# Altium PCB Cabinet_Device.PcbDoc (part 3 of 6) (continued)
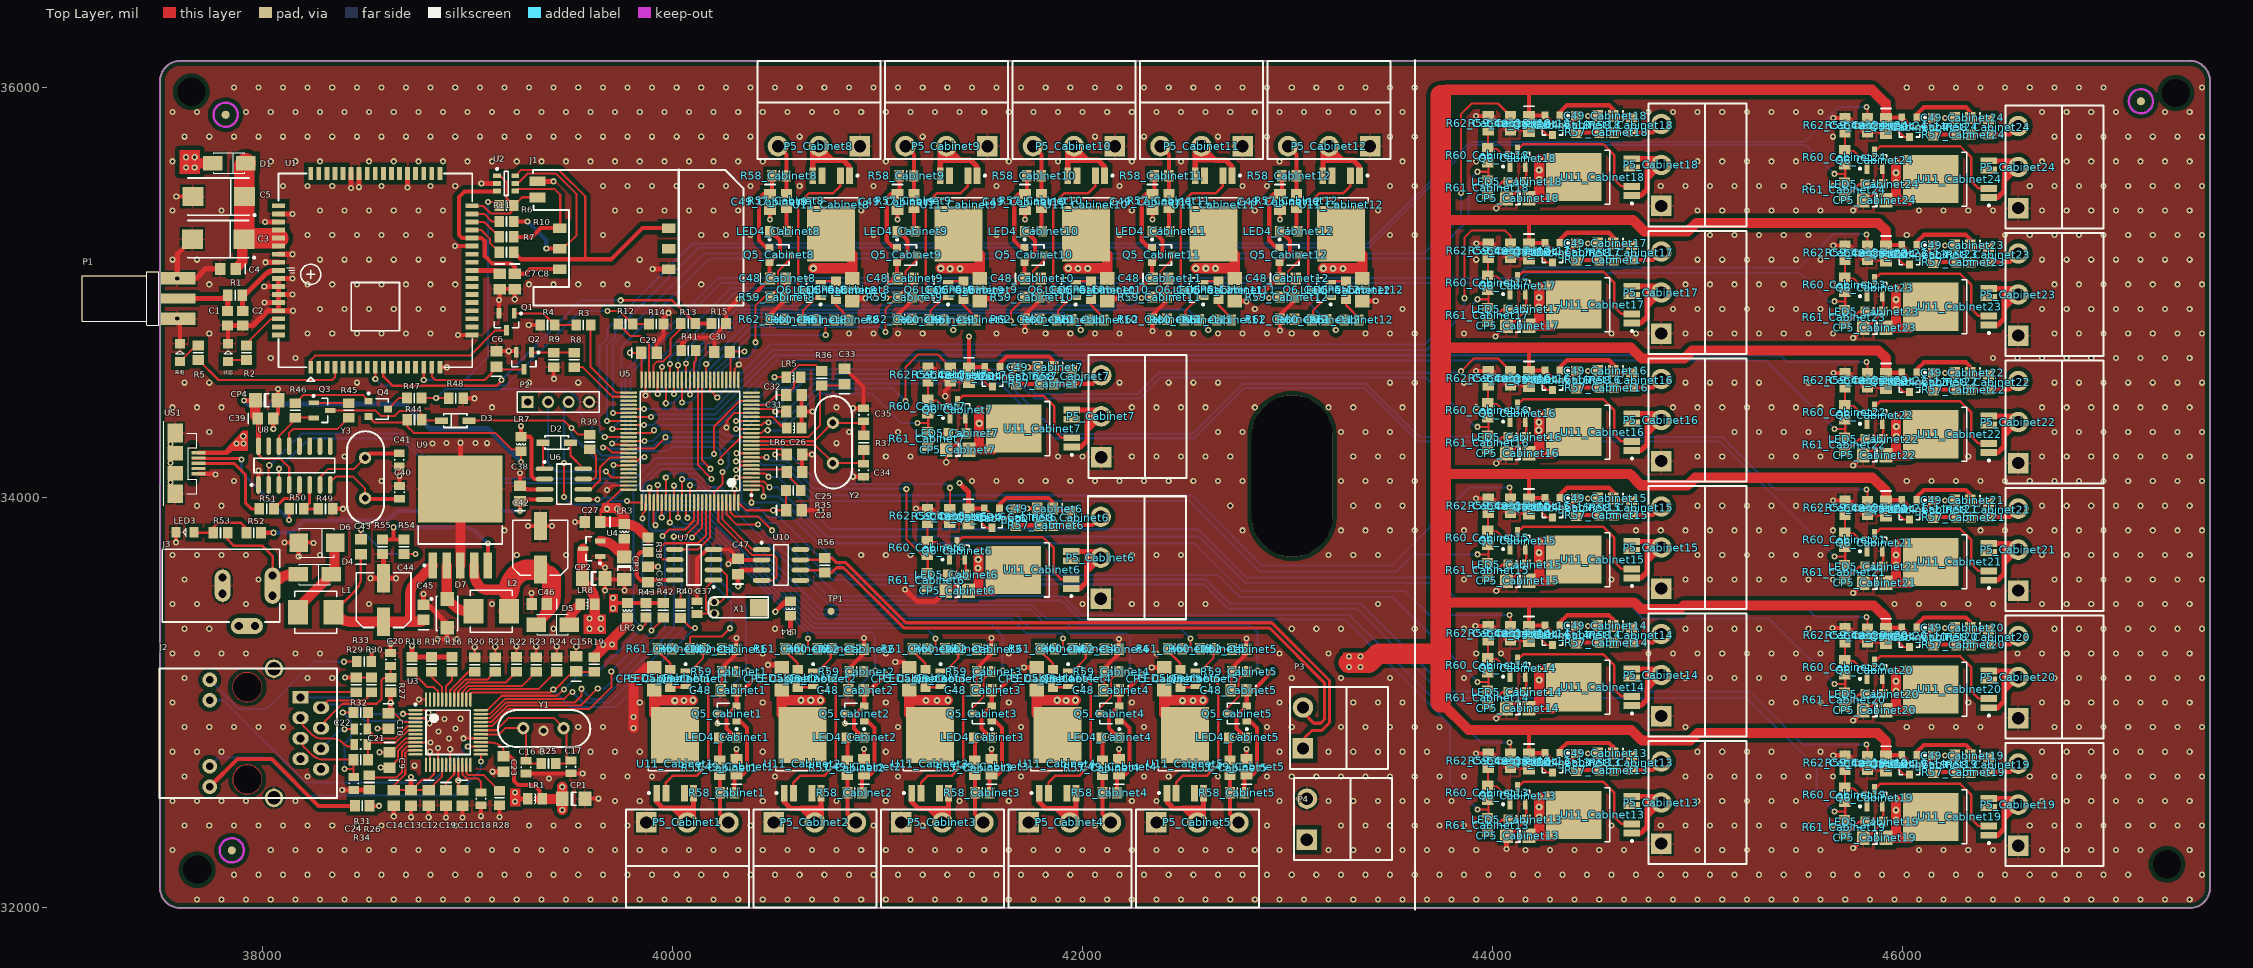
[diagram p0: Top Layer view]
## Nets (pads, with @x,y where several pads share a name; then routed paths per layer and width w, separated by ;. In a path a pad name is that pad's centre, name@x,y a point inside that pad or via, vN(x,y) a via of type N, cw(c..) or ccw(c..) an arc to the next point about the centre after c; other vN are vias at no path point) (continued)
  Top Layer w50: U9.3@38965,33668.78 U9.6@38965,34040.83 ; v1(39809,32876) v1(39809,32929) 39809,33106 39874.12,33171.12 CP5_Cabinet1.2@39910.13,33171.12
  Bottom Layer w10: v1@39678,34036 v1(39680,34036) ; v1(40301.54,34041.54) v1@40303,34043
  Bottom Layer w20: v1@40875,34431 v1(40879.5,34435.5) ; v1(41217,34967) v1@41220,34970 ; v1(41837,34966) v1@41839,34968
  Bottom Layer w25: v1(42181,34972) v1@42183.5,34972 ; v1(42800,34957) v1@42802,34957
  other v1: 37680,32040 37800,32040 37920,32040 38040,32040 38160,32040 38280,32040 38400,32040 38520,32040 38640,32040 38760,32040 38880,32040 39000,32040 39120,32040 39240,32040 39360,32040 39480,32040 39600,32040 39720,32040 39840,32040 39960,32040 40080,32040 40200,32040 40320,32040 40440,32040 40560,32040 40680,32040 40800,32040 40920,32040 41040,32040 41160,32040 41280,32040 41400,32040 41520,32040 41640,32040 41760,32040 41880,32040 42000,32040 42120,32040 42240,32040 42360,32040 42480,32040 42600,32040 42720,32040 42840,32040 42960,32040 43080,32040 43200,32040 43320,32040 43440,32040 43560,32040 43680,32040 43800,32040 43920,32040 44040,32040 44160,32040 44280,32040 44400,32040 44520,32040 44640,32040 44760,32040 44880,32040 45000,32040 45120,32040 45240,32040 45360,32040 45480,32040 45600,32040 45720,32040 45840,32040 45960,32040 46080,32040 46200,32040 46320,32040 46440,32040 46560,32040 46680,32040 46800,32040 46920,32040 47040,32040 47160,32040 47280,32040 47400,32040 37860,32160 37980,32160 38100,32160 38220,32160 38340,32160 38460,32160 38580,32160 38700,32160 38820,32160 38940,32160 39060,32160 39180,32160 39300,32160 39420,32160 39540,32160 39660,32160 39780,32160 39900,32160 40020,32160 40140,32160 40260,32160 40380,32160 40500,32160 40620,32160 40740,32160 40860,32160 40980,32160 41100,32160 41220,32160 41340,32160 41460,32160 41580,32160 41700,32160 41820,32160 41940,32160 42060,32160 42180,32160 42300,32160 42420,32160 42540,32160 42660,32160 42780,32160 42900,32160 43020,32160 43140,32160 43260,32160 43380,32160 43500,32160 43620,32160 43740,32160 43860,32160 43980,32160 44100,32160 44220,32160 44340,32160 44460,32160 44580,32160 44700,32160 44820,32160 44940,32160 45060,32160 45180,32160 45300,32160 45420,32160 45540,32160 45660,32160 45780,32160 45900,32160 46020,32160 46140,32160 46260,32160 46380,32160 46500,32160 46620,32160 46740,32160 46860,32160 46980,32160 47100,32160 47460,32160 37560,32280 38040,32280 38160,32280 38280,32280 38400,32280 38520,32280 38640,32280 38760,32280 38880,32280 39000,32280 39120,32280 39240,32280 39360,32280 39480,32280 39600,32280 39720,32280 39840,32280 39960,32280 40080,32280 40200,32280 40320,32280 40440,32280 40560,32280 40680,32280 40800,32280 40920,32280 41040,32280 41160,32280 41280,32280 41400,32280 41520,32280 41640,32280 41760,32280 41880,32280 42000,32280 42120,32280 42240,32280 42360,32280 42480,32280 42600,32280 42720,32280 42840,32280 42960,32280 43200,32280 43320,32280 43440,32280 43560,32280 43680,32280 43800,32280 43920,32280 44160,32280 44280,32280 44400,32280 44520,32280 44640,32280 45000,32280 45120,32280 45240,32280 45360,32280 45480,32280 45600,32280 46080,32280 46200,32280 46320,32280 46440,32280 46680,32280 46800,32280 46920,32280 47040,32280 47160,32280 47400,32280 37620,32400 37740,32400 37860,32400 37980,32400 38100,32400 38220,32400 38340,32400 38460,32400 38580,32400 38940,32400 39300,32400 39420,32400 39540,32400 39660,32400 39780,32400 40380,32400 40980,32400 41220,32400 42060,32400 42660,32400 42900,32400 43260,32400 43380,32400 43500,32400 43620,32400 43740,32400 43860,32400 44580,32400 44820,32400 44940,32400 45060,32400 45180,32400 45300,32400 45420,32400 45540,32400 45660,32400 46620,32400 46740,32400 46860,32400 46980,32400 47100,32400 47220,32400 47340,32400 47460,32400 37560,32520 37680,32520 37800,32520 37920,32520 38160,32520 39720,32520 39840,32520 40440,32520 40800,32520 41040,32520 41400,32520 41640,32520 42240,32520 42360,32520 42960,32520 43200,32520 43320,32520 43440,32520 43560,32520 43680,32520 43800,32520 45000,32520 45120,32520 45240,32520 45360,32520 45480,32520 46680,32520 46800,32520 46920,32520 47040,32520 47160,32520 47280,32520 47400,32520 37620,32640 38220,32640 39660,32640 39780,32640 39900,32640 40500,32640 41100,32640 41700,32640 42300,32640 42420,32640 42660,32640 42900,32640 43020,32640 43140,32640 43260,32640 43380,32640 43500,32640 43620,32640 43740,32640 43860,32640 44940,32640 45060,32640 45180,32640 45300,32640 45420,32640 45540,32640 45660,32640 46620,32640 46740,32640 46860,32640 46980,32640 47100,32640 47220,32640 47340,32640 47460,32640 38741,32692 37560,32760 37680,32760 37800,32760 39360,32760 39600,32760 39720,32760 39840,32760 40440,32760 41040,32760 42960,32760 43200,32760 43320,32760 43440,32760 43560,32760 43680,32760 45000,32760 45120,32760 45240,32760 45360,32760 45600,32760 46680,32760 46800,32760 46920,32760 47040,32760 47160,32760 47280,32760 47400,32760 38910,32825 38858,32859 38941,32874 37620,32880 37740,32880 37860,32880 37980,32880 38100,32880 39540,32880 39660,32880 41100,32880 41700,32880 42300,32880 42900,32880 43020,32880 43260,32880 43380,32880 43500,32880 43620,32880 43740,32880 44940,32880 46020,32880 46140,32880 46260,32880 46380,32880 46740,32880 46860,32880 46980,32880 47100,32880 47220,32880 47340,32880 47460,32880 38888,32920 38965,32921 37560,33000 39840,33000 40440,33000 41040,33000 41640,33000 42240,33000 42960,33000 43320,33000 43440,33000 43560,33000 45360,33000 45480,33000 45600,33000 46320,33000 46680,33000 46800,33000 46920,33000 47040,33000 47160,33000 47280,33000 47400,33000 37620,33120 38220,33120 38340,33120 43020,33120 43260,33120 43500,33120 43860,33120 44940,33120 45060,33120 45180,33120 45300,33120 45420,33120 45540,33120 46740,33120 46860,33120 46980,33120 47100,33120 47220,33120 47340,33120 47460,33120 37560,33240 37680,33240 37800,33240 37920,33240 38160,33240 38280,33240 40440,33240 41040,33240 41640,33240 42360,33240 42960,33240 43200,33240 43920,33240 44040,33240 44760,33240 44880,33240 45000,33240 45120,33240 45240,33240 45360,33240 45480,33240 45600,33240 46560,33240 46680,33240 46800,33240 46920,33240 47040,33240 47160,33240 47280,33240 47400,33240 37620,33360 37740,33360 39420,33360 40500,33360 43020,33360 43140,33360 43260,33360 43620,33360 43860,33360 44940,33360 45060,33360 45180,33360 45300,33360 45540,33360 46740,33360 46860,33360 46980,33360 47100,33360 47220,33360 47340,33360 47460,33360 37560,33480 37680,33480 37920,33480 38520,33480 39120,33480 42000,33480 42240,33480 42360,33480 42480,33480 42600,33480 43440,33480 45960,33480 46080,33480 46200,33480 46320,33480 46440,33480 46680,33480 46800,33480 46920,33480 47040,33480 47160,33480 47280,33480 47400,33480 37620,33600 37980,33600 43860,33600 44580,33600 44940,33600 45060,33600 45180,33600 45300,33600 45420,33600 45540,33600 45660,33600 46740,33600 46860,33600 46980,33600 47100,33600 47220,33600 47340,33600 47460,33600 40272,33676 37560,33720 37680,33720 37800,33720 37920,33720 38280,33720 39240,33720 39480,33720 40920,33720 41040,33720 41160,33720 42240,33720 42360,33720 42480,33720 43200,33720 43320,33720 43440,33720 45000,33720 45120,33720 45240,33720 45360,33720 45480,33720 45600,33720 46680,33720 46800,33720 46920,33720 47040,33720 47160,33720 47280,33720 47400,33720 39180,33840 42780,33840 43260,33840 43380,33840 43500,33840 43620,33840 43860,33840 44700,33840 44820,33840 44940,33840 45060,33840 45180,33840 45300,33840 45420,33840 45660,33840 46380,33840 46500,33840 46620,33840 46740,33840 46860,33840 46980,33840 47100,33840 47220,33840 47340,33840 47460,33840 37680,33960 37800,33960 42720,33960 43320,33960 43440,33960 43560,33960 45000,33960 45120,33960 45240,33960 45360,33960 45480,33960 45600,33960 46680,33960 46800,33960 46920,33960 47040,33960 47160,33960 47280,33960 47400,33960 37550.68,34073 37860,34080 38580,34080 41460,34080 41580,34080 41700,34080 41820,34080 41940,34080 42060,34080 42180,34080 42300,34080 42420,34080 42540,34080 42660,34080 42780,34080 43260,34080 43380,34080 43500,34080 43620,34080 46020,34080 46140,34080 46260,34080 46380,34080 46500,34080 46620,34080 46740,34080 46860,34080 46980,34080 47100,34080 47220,34080 47340,34080 47460,34080 38400,34200 41040,34200 41160,34200 41880,34200 42000,34200 42240,34200 42360,34200 42480,34200 42600,34200 42720,34200 43320,34200 43440,34200 43560,34200 45000,34200 45120,34200 45360,34200 45480,34200 45600,34200 46320,34200 46680,34200 46800,34200 46920,34200 47040,34200 47160,34200 47280,34200 47400,34200 38829,34263 39095,34265 40799,34265 38898,34266 39039,34266 37740,34320 40860,34320 41100,34320 42660,34320 42780,34320 43260,34320 43380,34320 43500,34320 45180,34320 45300,34320 45420,34320 45540,34320 46740,34320 46860,34320 46980,34320 47100,34320 47220,34320 47340,34320 47460,34320 37560,34440 37680,34440 37800,34440 39120,34440 40800,34440 42240,34440 42360,34440 42480,34440 42600,34440 42840,34440 43200,34440 43320,34440 43560,34440 43920,34440 44880,34440 45000,34440 45120,34440 45240,34440 45360,34440 45480,34440 45600,34440 46680,34440 46800,34440 46920,34440 47040,34440 47160,34440 47280,34440 47400,34440 37620,34560 37740,34560 38460,34560 39300,34560 39540,34560 42180,34560 42420,34560 42540,34560 42660,34560 43500,34560 43620,34560 43860,34560 44940,34560 45060,34560 45180,34560 45300,34560 45540,34560 46740,34560 46860,34560 46980,34560 47100,34560 47220,34560 47340,34560 47460,34560 38040,34680 38160,34680 46440,34680 46560,34680 46680,34680 46800,34680 46920,34680 47040,34680 47160,34680 47280,34680 47400,34680 37740,34800 38220,34800 38340,34800 38460,34800 38580,34800 38700,34800 38820,34800 40860,34800 40980,34800 41100,34800 41220,34800 41580,34800 41820,34800 41940,34800 42060,34800 42180,34800 42420,34800 42540,34800 42660,34800 42780,34800 42900,34800 43020,34800 43140,34800 43380,34800 43500,34800 43620,34800 43860,34800 44580,34800 44700,34800 44940,34800 45060,34800 45180,34800 45300,34800 45420,34800 45540,34800 45660,34800 46740,34800 46860,34800 46980,34800 47100,34800 47220,34800 47340,34800 47460,34800 38280,34920 38400,34920 38520,34920 38640,34920 38760,34920 38880,34920 42840,34920 43560,34920 44880,34920 45000,34920 45120,34920 45240,34920 45360,34920 45480,34920 45600,34920 46680,34920 46800,34920 46920,34920 47040,34920 47160,34920 47280,34920 47400,34920 37740,35040 38220,35040 38340,35040 38460,35040 38580,35040 38700,35040 38820,35040 38940,35040 39300,35040 39420,35040 39540,35040 39660,35040 39780,35040 40140,35040 44940,35040 45060,35040 45180,35040 45300,35040 45420,35040 45660,35040 46740,35040 46860,35040 46980,35040 47100,35040 47220,35040 47340,35040 47460,35040 37560,35160 37680,35160 38280,35160 38400,35160 38520,35160 38640,35160 38760,35160 38880,35160 39840,35160 43920,35160 45000,35160 45120,35160 45240,35160 45360,35160 45480,35160 45600,35160 46680,35160 46800,35160 46920,35160 47040,35160 47160,35160 47280,35160 47400,35160 38220,35280 38340,35280 38460,35280 38580,35280 38700,35280 38820,35280 39660,35280 40140,35280 40260,35280 40380,35280 40980,35280 41580,35280 42180,35280 43500,35280 43620,35280 45060,35280 45180,35280 45300,35280 45420,35280 45540,35280 46020,35280 46500,35280 46620,35280 46740,35280 46860,35280 46980,35280 47100,35280 47220,35280 47340,35280 47460,35280 37560,35400 37800,35400 38280,35400 38400,35400 38520,35400 38640,35400 38760,35400 38880,35400 39720,35400 39840,35400 39960,35400 40080,35400 40200,35400 40320,35400 40920,35400 42240,35400 42840,35400 43440,35400 45000,35400 45120,35400 45240,35400 45360,35400 45480,35400 45600,35400 46080,35400 46200,35400 46320,35400 46440,35400 46680,35400 46800,35400 46920,35400 47040,35400 47160,35400 47280,35400 47400,35400 38100,35520 38220,35520 38340,35520 38580,35520 38820,35520 38940,35520 39660,35520 39780,35520 39900,35520 40020,35520 40140,35520 40260,35520 40380,35520 40620,35520 40980,35520 41580,35520 42180,35520 42780,35520 42900,35520 43500,35520 43620,35520 44820,35520 44940,35520 45060,35520 45180,35520 45300,35520 45420,35520 45540,35520 45660,35520 46620,35520 46740,35520 46860,35520 46980,35520 47100,35520 47220,35520 47340,35520 47460,35520 37560,35640 38040,35640 38160,35640 38280,35640 38520,35640 38640,35640 38760,35640 38880,35640 39000,35640 39120,35640 39240,35640 39360,35640 39480,35640 39600,35640 39720,35640 39840,35640 39960,35640 40080,35640 40200,35640 40320,35640 40440,35640 41040,35640 41640,35640 41880,35640 42240,35640 42480,35640 42960,35640 43560,35640 43920,35640 45000,35640 45120,35640 45240,35640 45360,35640 45480,35640 46680,35640 46800,35640 46920,35640 47040,35640 47160,35640 47280,35640 47400,35640 37620,35760 37740,35760 37860,35760 37980,35760 38100,35760 38220,35760 38340,35760 38460,35760 38580,35760 38700,35760 38820,35760 38940,35760 39060,35760 39180,35760 39300,35760 39420,35760 39540,35760 39660,35760 39780,35760 39900,35760 40020,35760 40140,35760 40260,35760 40380,35760 40620,35760 41220,35760 42060,35760 42300,35760 42660,35760 42900,35760 43500,35760 43620,35760 45660,35760 46740,35760 46860,35760 46980,35760 47100,35760 47220,35760 47340,35760 47460,35760 37560,35880 37680,35880 37920,35880 38040,35880 38160,35880 38280,35880 38400,35880 38520,35880 38640,35880 38760,35880 38880,35880 39000,35880 39120,35880 39240,35880 39360,35880 39480,35880 39600,35880 39720,35880 39840,35880 39960,35880 40080,35880 40200,35880 40320,35880 40440,35880 40560,35880 40680,35880 40800,35880 40920,35880 41040,35880 41160,35880 41280,35880 41400,35880 41520,35880 41640,35880 41760,35880 41880,35880 42000,35880 42120,35880 42240,35880 42360,35880 42480,35880 42600,35880 42720,35880 42840,35880 42960,35880 43080,35880 43200,35880 43320,35880 43440,35880 43560,35880 44760,35880 44880,35880 45000,35880 45120,35880 45240,35880 45360,35880 45480,35880 45600,35880 46680,35880 46800,35880 46920,35880 47040,35880 47280,35880 47400,35880 37860,36000 37980,36000 38100,36000 38220,36000 38340,36000 38460,36000 38580,36000 38700,36000 38820,36000 38940,36000 39060,36000 39180,36000 39300,36000 39420,36000 39540,36000 39660,36000 39780,36000 39900,36000 40020,36000 40140,36000 40260,36000 40380,36000 40500,36000 40620,36000 40740,36000 40860,36000 40980,36000 41100,36000 41220,36000 41340,36000 41460,36000 41580,36000 41700,36000 41820,36000 41940,36000 42060,36000 42180,36000 42300,36000 42420,36000 42540,36000 42660,36000 42780,36000 42900,36000 43020,36000 43140,36000 43260,36000 43380,36000 43500,36000 43620,36000 46020,36000 46140,36000 46260,36000 46380,36000 46500,36000 46620,36000 46740,36000 46860,36000 46980,36000 47460,36000
  other v3: 39370,32862
I2C1_SCL: U5.92 U7.6 | length 527
  Top Layer w10: U7.6@40010.51,33697 39954,33697 39942,33709 39942,33757 39962,33777 40124,33777 40163.74,33816.74 U5.92@40163.74,33975.79
I2C1_SDA: U5.93 U7.5 | length 367.5
  Top Layer w10: U7.5@40010.51,33747 40125,33747 40183.43,33805.43 U5.93@40183.43,33975.79
LED_ACT: J2.10 U3.27 | length 1561.6
  Top Layer w10: v1(39001.1,32786.1) U3.27@39064.88,32786.1
  Bottom Layer w10: J2.10@37742.44,33011.24 37808.76,33011.24 38210,32610 38825,32610 v1(39001.1,32786.1)
LED_LINK: J2.11 U3.25 | length 1543.6
  Top Layer w10: v1(39064.88,32713.12) U3.25@39064.88,32746.73
  Bottom Layer w10: J2.11@37742.44,32689.37 37784.07,32731 38028,32731 38212,32547 38942,32547 39064.88,32669.88 v1(39064.88,32713.12)
N\R\S\T\: C33.1 D3.1 R36.1 R39.2 U5.14 | length 2401.1
  Top Layer w10: D3.1@39006.93,34375 39471,34375 v1(39507,34339) 39507.43,34339 39540,34306.43 R39.2@39596,34306.43 ; v1(40235,34174) 40235,34196 40333.68,34294.68 U5.14@40384.21,34294.68 40661.68,34294.68 40718,34351 40718,34519 40729,34530 R36.1@40729,34546.57 ; R36.1@40728,34546.57 R36.1@40729,34546.57 ; R36.1@40729,34550.6 R36.1@40729,34546.57 ; C33.1@40839,34553.6 40831.97,34546.57 R36.1@40729,34546.57
  Bottom Layer w10: v1(39507,34339) 39507,34305 39627,34185 39769,34185 39810,34226 39977,34226 39998,34247 40211,34247 40235,34223 v1(40235,34174)
NET_CS: R42.2 U3.32 U5.77 | length 1806.2
  Top Layer w10: U3.32@39064.88,32884.53 39117.08,32884.53 39201.56,32969 39595.43,32969 39701,33074.57 v1(39701,33152) ; v1(39853,33898) 39853,33920.67 39865.68,33933.35 39865.68,33973.01 U5.77@39868.46,33975.79 ; v1(39897,33351) R42.2@39959,33410.57
  Bottom Layer w10: v1(39701,33152) 39895,33346 39895,33438 39853,33480 v1(39853,33898)
NET_INT: R43.2 U3.36 U5.35 | length 2590.4
  Top Layer w10: U3.36@39064.88,32963.27 39096.27,32963.27 39166,33033 39437,33033 v1@39471,33067 ; v1@39851,33365 39870,33384 R43.2@39870,33414.57 ; U5.35@40144.06,34574.21 40144.06,34180.94 v1(40185,34140)
  Bottom Layer w10: v1(39471,33064) 39542.38,33135.38 39621.38,33135.38 39851,33365 39810,33406 39810,34041 39932,34163 40162,34163 v1(40185,34140)
  other v1: 39842.43,33365
NET_RST: R40.2 U5.36 | length 1623.9
  Top Layer w10: R40.2@40039,33483.43 40039,33536 v1(40044,33541) ; U5.36@40124.37,34574.21 40124.37,34156.63 40184.5,34096.5 v1@40184.5,34085.5
  Bottom Layer w10: v1(40044,33541) 40044,33815 40021,33838 39901,33838 39885,33854 39885,33952 39857,33980 39857,34057 39939,34139 40142,34139 v1(40190,34091)
NetC1_1: C1.1 P1.1 R1.1 | length 328.2
  Top Layer w25: P1.1@37584,34970.5 37791.73,34970.5 ccw(c37791.73,35025.43) R1.1@37830.57,34986.59 37830.57,34911.5 C1.1@37829,34909.94
NetC2_1: C2.1 R1.2 U1.60 | length 290.9
  Top Layer w10: U1.60@38063,35107.91 U1.60@38077.56,35107.91
  Top Layer w25: C2.1@37901.43,34912.5 37901.43,34975.43 38013.35,35087.35 cw(c38063,35037.69) U1.60@38063,35107.91
NetC3_1: C3.1 C4.1 C5.1 D1.2 U1.55 U1.56 U1.57 | length 656
  Top Layer w50: C4.1@37868.4,35115.59 37901.4,35148.59 37901.4,35251.92 C3.1@37909.98,35260.5
  Top Layer w100: C3.1@37909.98,35260.5 C5.1@37909.98,35430.78 ; C5.1@37909.98,35469.59 37909.98,35621.78 D1.2@37918.71,35630.5 ; C3.1@37918.5,35265.39 U1.56@38077.56,35265.39
NetC6_1: C6.1 Q2.3 U1.16 | length 523.2
  Top Layer w10: U1.16@38825.59,34635.47 38825.59,34590.41 38843,34573 39084.06,34573 39136.06,34625 Q2.3@39275,34625
NetC7_1: C7.1 U1.26 | length 141.4
  Top Layer w25: U1.26@39022.44,35107.91 39140.49,35107.91 C7.1@39157,35091.4
NetC15_1: C15.1 R19.2 R40.1 U3.37 | length 1648.1
  Top Layer w10: U3.37@39013.7,33014.45 39013.7,33039.7 39023,33049 39404,33049 v1(39418,33063) ; v1@39422.5,33058.5 39513.57,33149.57 39613.46,33149.57 R19.2@39615.43,33147.6 ; R40.1@40039,33412.57 40058.57,33393 40087.57,33364 v1(40110,33364)
  Bottom Layer w10: v1(39418,33063) 39502,32979 39725,32979 v1(40110,33364)
NetC16_2: C16.2 R25.1 U3.30 Y1.1 | length 550.2
  Top Layer w10: U3.30@39085,32845.16 39155.16,32845.16 39186.18,32876.18 39285.43,32876.18 39285.43,32761.5 ; Y1.1@39285,32858.57 C16.2@39285,32716.5 39298.5,32703 R25.1@39359.57,32703
NetC17_2: C17.2 R25.2 U3.31 Y1.2 | length 693.4
  Top Layer w10: U3.31@39064.88,32864.84 39139.84,32864.84 39200,32925 39420,32925 39483,32862 C17.2@39483,32716.5 ; R25.2@39430.43,32703 39484.5,32703 C17.2@39502,32720.5
NetC18_2: C18.2 U3.22 | length 204
  Top Layer w10: U3.22@38974.33,32695.55 38974.33,32650.67 38995,32630 39050,32630 39065.43,32614.57 C18.2@39065.43,32561.5
NetC19_1: C19.1 U3.20 | length 143.3
  Top Layer w10: C19.1@38895.43,32568.64 38895.43,32610.43 38934.96,32649.96 U3.20@38934.96,32695.55
NetC20_2: C20.2 J2.4 R27.1 | length 562.6
  Top Layer w10: J2.4@38285.35,32875.24 38285.35,32890.35 38389,32994 38558,32994 38580,33016 38580,33109 38591.43,33120.43 R27.1@38625,33120.43 C20.2@38625,33178.5
NetC21_2: C21.2 J2.3 | length 327.9
  Top Layer w10: J2.3@38185.35,32925.24 ccw(c38247.13,32925.24) 38203.45,32881.55 38240,32845 ccw(c38288.28,32893.28) 38288.28,32825 38336.89,32825 cw(c38336.89,32744.71) 38365.13,32819.87 cw(c38336.89,32744.71) 38393.67,32801.48 38399.65,32795.5 ccw(c38425,32820.85) 38425,32785 ccw(c38425,32811.61) 38443.82,32792.79 C21.2@38447.26,32796.24
NetC22_2: C22.2 J2.6 | length 208.9
  Top Layer w10: v1(38400,32870) cw(c38402.98,32867.02) 38402.98,32871.24 C22.2@38447.26,32871.24
  Bottom Layer w10: J2.6@38285.35,32775.24 38362.52,32852.41 cw(c38405,32809.93) 38405,32870 v1(38400,32870)
NetC24_2: C24.2 J2.5 R31.1 R32.1 | length 797.1
  Top Layer w10: J2.5@38185.35,32825.24 ccw(c38247.13,32825.24) 38203.45,32781.55 38234.47,32750.53 ccw(c38305.19,32821.24) 38305.19,32721.24 R31.1@38443.32,32721.24 38443.32,32675 ; v1(38391.24,32951.24) R32.1@38443.32,32951.24 ; v1(38400,32675) 38443.32,32675 ; C24.2@38451.35,32637.73 38443.32,32645.76 38443.32,32675
  Bottom Layer w10: v1(38391.24,32951.24) 38431.24,32911.24 38431.24,32831.24 38400,32800 v1(38400,32675)
NetC25_1: C25.1 R35.2 U5.6 | length 296
  Top Layer w10: U5.6@40384.21,34137.2 40543.39,34137.2 C25.1@40556.6,34124 40556.6,34112.4 40624.43,34044.57 R35.2@40624.43,34034
NetC32_1: C32.1 LR5.2 U5.22 | length 306
  Top Layer w10: U5.22@40384.21,34452.17 40458.17,34452.17 40507,34501 C32.1@40554.6,34501 40592,34538.4 40592,34553.57 LR5.2@40625.43,34587
NetC36_1: C36.1 R38.2 U7.8 | length 357
  Top Layer w20: R38.2@39880,33734.57 39851.03,33734.57 ccw(c39851.03,33718.97) 39840,33730 ccw(c39876.21,33693.79) 39825,33693.79 39825,33629.14 ccw(c39859.14,33629.14) 39835,33605 ccw(c39877.01,33647.01) 39877.01,33587.6 C36.1@39880,33587.6 39889.4,33597 U7.8@40010.51,33597
NetC37_1: C37.1 U7.1 X1.2 | length 269.1
  Top Layer w10: C37.1@40121.5,33434 X1.2@40203,33434 ; X1.2@40184,33434 40162,33456 40162,33559.51 U7.1@40199.49,33597
NetC38_1: C38.1 R52.1 U6.4 | length 1467.6
  Top Layer w20: R52.1@37992.43,33828 v1(38054,33828) ; v1(39255,33935) C38.1@39255,33982.6 ; C38.1@39262.4,33990 U6.4@39375.51,33990
  Bottom Layer w20: v1(38054,33828) 38142,33828 38202,33888 38609,33888 38656,33935 v1(39255,33935)
NetC40_1: C40.1 U8.8 Y3.1 | length 430.9
  Top Layer w10: U8.8@38330,34061.51 38330,34074 38359,34103 38440,34103 38500,34043 Y3.1@38500,33996.5
  Top Layer w20: Y3.1@38503,33993.5 C40.1@38668,33993.5
NetC41_1: C41.1 U8.7 Y3.2 | length 472.7
  Top Layer w10: U8.7@38280,34061.51 38280,34099 38321,34140 38446.5,34140 Y3.2@38500,34193.5
  Top Layer w20: Y3.2@38500,34193.5 38522,34215.5 C41.1@38667,34215.5
NetC42_1: C42.1 C46.1 D5.1 L2.2 U9.4 | length 1068.5
  Top Layer w50: U9.4@39031.93,33668.78 39031.93,33632.77 ccw(c39127.77,33632.77) 39060,33565 ccw(c39096.21,33601.21) 39096.21,33550 39175,33550 ; D5.1@39334.29,33380 D5.1@39358.11,33403.82 ; D5.1@39358.11,33403.82 ccw(c39287.4,33474.53) 39387.4,33474.53 C46.1@39387.4,33480 39387.4,33574.88 ccw(c39287.4,33574.88) 39358.11,33645.59 C42.1@39355,33648.7 39374.85,33648.7 cw(c39374.85,33584.85) 39420,33630 cw(c39395.86,33605.86) 39430,33605.86 39430,33517.13 cw(c39330,33517.13) 39400.71,33446.42 D5.1@39358.11,33403.82
  Top Layer w100: L2.2@39201.61,33445 L2.2@39201.61,33446.96 ; 39201.61,33540.23 cw(c39313.59,33540.23) 39234.41,33619.41 cw(c39305.12,33548.7) 39305.12,33648.7 C42.1@39355,33648.7
NetC43_1: C43.1 C44.1 C45.1 L1.2 U9.1 | length 1107.3
  Top Layer w12: L1.2@38346.61,33440 38450.71,33544.1 ccw(c38380,33614.81) 38480,33614.81 C43.1@38480,33722.6
  Top Layer w50: L1.2@38346.61,33440 38363.62,33422.99 ccw(c38434.33,33493.7) 38434.33,33393.7 C44.1@38590,33393.7 38763.52,33393.7 ccw(c38763.52,33424.08) C45.1@38785,33402.6 ; 38720,33393.7 38720,33528.58 cw(c38790.15,33528.58) 38740.55,33578.19 U9.1@38831.14,33668.78
NetC43_2: C43.2 R54.1 | length 414
  Top Layer w12: C43.2@38480,33797.4 v1(38480,33842.93) ; R54.1@38690,33724.57 v1(38746.88,33724.57)
  Bottom Layer w12: v1(38480,33842.93) 38569.07,33753.86 ccw(c38639.78,33824.57) 38639.78,33724.57 v1(38746.88,33724.57)
NetC49_Cabinet1_1: C49_Cabinet1.1 Q5_Cabinet1.1 R58_Cabinet1.1 | length 424.3
  Top Layer w20: R58_Cabinet1.1@40302,32560 40302,32640.03 C49_Cabinet1.1@40311.57,32649.6 40343.17,32649.6 40363.57,32670 40363.57,32876 40330.97,32908.6 Q5_Cabinet1.1@40312.81,32908.6
NetC49_Cabinet2_1: C49_Cabinet2.1 Q5_Cabinet2.1 R58_Cabinet2.1 | length 424.3
  Top Layer w20: R58_Cabinet2.1@40924,32560 40924,32640.03 C49_Cabinet2.1@40933.57,32649.6 40965.17,32649.6 40985.57,32670 40985.57,32876 40952.97,32908.6 Q5_Cabinet2.1@40934.81,32908.6
NetC49_Cabinet3_1: C49_Cabinet3.1 Q5_Cabinet3.1 R58_Cabinet3.1 | length 424.3
  Top Layer w20: R58_Cabinet3.1@41546,32560 41546,32640.03 C49_Cabinet3.1@41555.57,32649.6 41587.17,32649.6 41607.57,32670 41607.57,32876 41574.97,32908.6 Q5_Cabinet3.1@41556.81,32908.6
NetC49_Cabinet4_1: C49_Cabinet4.1 Q5_Cabinet4.1 R58_Cabinet4.1 | length 424.3
  Top Layer w20: R58_Cabinet4.1@42168,32560 42168,32640.03 C49_Cabinet4.1@42177.57,32649.6 42209.17,32649.6 42229.57,32670 42229.57,32876 42196.97,32908.6 Q5_Cabinet4.1@42178.81,32908.6
NetC49_Cabinet5_1: C49_Cabinet5.1 Q5_Cabinet5.1 R58_Cabinet5.1 | length 424.3
  Top Layer w20: R58_Cabinet5.1@42790,32560 42790,32640.03 C49_Cabinet5.1@42799.57,32649.6 42831.17,32649.6 42851.57,32670 42851.57,32876 42818.97,32908.6 Q5_Cabinet5.1@42800.81,32908.6
NetC49_Cabinet6_1: C49_Cabinet6.1 Q5_Cabinet6.1 R58_Cabinet6.1 | length 424.3
  Top Layer w20: Q5_Cabinet6.1@41594.94,33947.01 41594.94,33965.17 41627.54,33997.76 41833.54,33997.76 41853.94,33977.36 C49_Cabinet6.1@41853.94,33945.76 41863.5,33936.2 R58_Cabinet6.1@41943.54,33936.2
NetC49_Cabinet7_1: C49_Cabinet7.1 Q5_Cabinet7.1 R58_Cabinet7.1 | length 424.3
  Top Layer w20: Q5_Cabinet7.1@41597.4,34636.81 41597.4,34654.97 41630,34687.57 41836,34687.57 41856.4,34667.17 C49_Cabinet7.1@41856.4,34635.57 41865.97,34626 R58_Cabinet7.1@41946,34626
NetC49_Cabinet8_1: C49_Cabinet8.1 Q5_Cabinet8.1 R58_Cabinet8.1 | length 424.3
  Top Layer w20: Q5_Cabinet8.1@40473.19,35220.4 40455.03,35220.4 40422.43,35253 40422.43,35459 40442.83,35479.4 C49_Cabinet8.1@40474.43,35479.4 40484,35488.97 R58_Cabinet8.1@40484,35569
NetC49_Cabinet9_1: C49_Cabinet9.1 Q5_Cabinet9.1 R58_Cabinet9.1 | length 424.3
  Top Layer w20: Q5_Cabinet9.1@41095.19,35220.4 41077.03,35220.4 41044.43,35253 41044.43,35459 41064.83,35479.4 C49_Cabinet9.1@41096.43,35479.4 41106,35488.97 R58_Cabinet9.1@41106,35569
NetC49_Cabinet10_1: C49_Cabinet10.1 Q5_Cabinet10.1 R58_Cabinet10.1 | length 424.3
  Top Layer w20: Q5_Cabinet10.1@41717.19,35220.4 41699.03,35220.4 41666.43,35253 41666.43,35459 41686.83,35479.4 C49_Cabinet10.1@41718.43,35479.4 41728,35488.97 R58_Cabinet10.1@41728,35569